# Altium PCB AGRSHUB_U_PCB.PcbDoc (part 1 of 2) (continued)
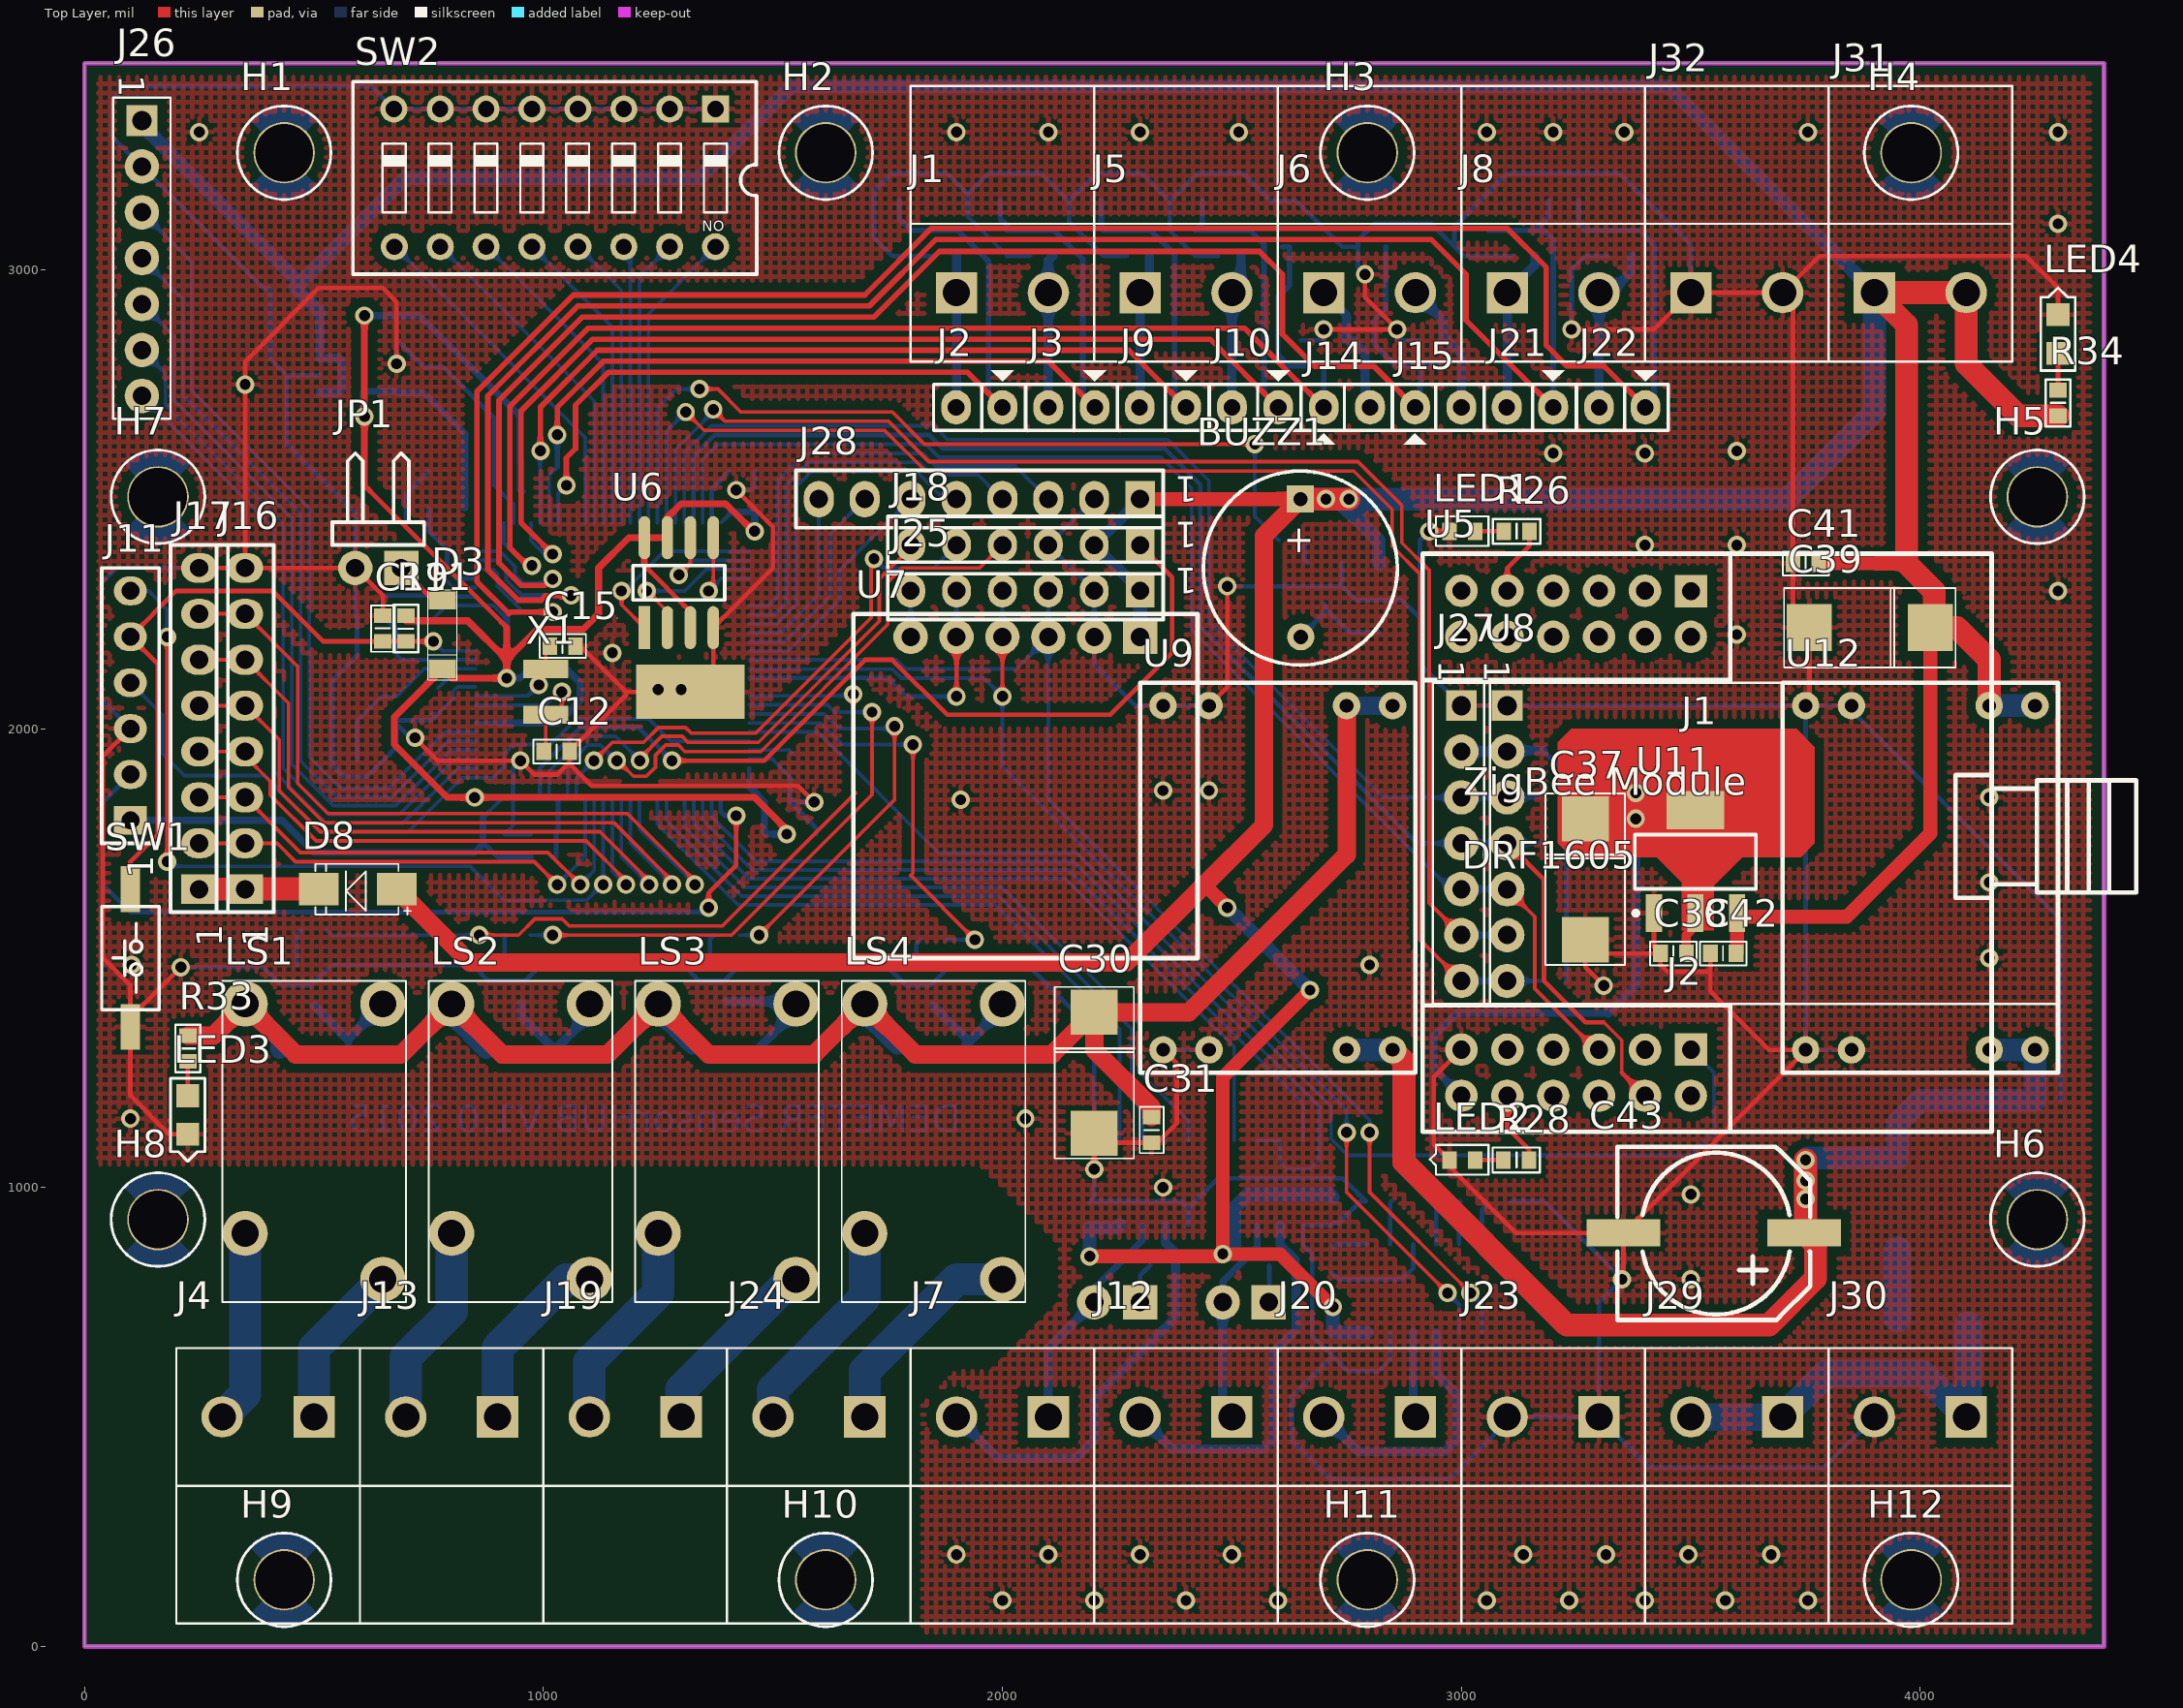
[diagram p0: Top Layer view]
## Components (designator, comment, footprint, x,y, rotation, side; value= is the part's Value field where it differs from the comment) (continued)
R30 "10k" R0603 3197.56,1850 r0 bottom
R31 "10k" R0603 3200,1750 r0 bottom
R32 "10M" R0603 3200,1450 r0 bottom
R33 "1k-5%" R0603 225,1302.56 r90 top
R34 "1k" R0603 4300,2710 r270 top
SW1 "SW 2P" "SW TACT" 100,1500 r90 top
SW2 "ADDRESS" DIPSW8N 1374.56,3350.06 r180 top
U1 "SP485EEN" SO8_L 2330,1010 r270 bottom
U2 "STM32F4_LQFP100" TSQFP50P1600X1600X160-100N 1150,2150 r0 bottom
U3 "SP485EEN" SO8_L 2580,1010 r270 bottom
U4 "MAX232" SOIC16_M 2970,780 r270 bottom
U5 "DRF1605" DRF1605 2915.35,1121.26 r0 top
U6 "MX25L8005MC-15G_SOP-8L" SOIC_8 1220,2220 r0 top
U7 "NEO-6M" "UBLOX NEO-6M Breakout" 2300,2200 r180 top
U8 "APC320" APC320 3100,2050 r270 top
U9 "DC 3A" "DC Mini 3A" 2600,1675 r90 top
U10 "XC6209B332MRN_SOT-25" SOT23-5 560,2770 r0 bottom
U11 "LM1117" SOT223_L 3510,1710 r90 top
U12 "DC 3A" "DC Mini 3A" 4000,1675 r90 top
W1 "Jumper" "HEADER 2" 2300,750 r180 bottom
W3 "Jumper" "HEADER 2" 2580,750 r180 bottom
X1 "Crystal1" "Crystal cylinder" 1005.04,2030 r180 top
Y1 "12MHz_CXA-321" "CRYSTAL 5032" 637,2089 r90 bottom

## Footprints (in the part's own frame and the unit in brackets; to place one, negate y for a bottom-side part, rotate by r counter-clockwise, add the part's x,y. Pads: shape width x height; smd on the part's side, far side on the other; paste and mask are expansions set on the pad)
0805_M [mm] "Chip Resistor, Body 2.0x1.2mm, IPC Low Density"
  rect 1.4x1.5 smd: 1(-1,0) 2(1,0)
  silkscreen extent 0,-0.65 0,0.65, body extent -1.07,-0.7 1.07,0.7, height 0.7
APC320 [mil]
  rect 67x67 hole 42: 1(0,0)
  round 75 / inner round 62 / far side round 75 hole 40: 2(100,0) 3(200,0) 4(300,0) 5(400,0) 6(500,0) 7(600,0)
  silkscreen extent -50,-50 650,1200, body extent -53,-53 652,2013, height 3076
C0603 [mil]
  rect 32x38 smd: 1(-27.56,0) 2(28.44,0)
  silkscreen extent -50,-26 51,26, body extent -31,-16 31,16, height 12
"CAP_AL_SMD (10X10.2)" [mil]
  rect 160x59.03 smd: 1(-196.63,-0.99) 2(196.86,-0.99)
  silkscreen extent -210,-189 210,189, body extent -197,-198 197,196, height 402
CAP_TANTA_SMD_10UF/10V/16V [mil]
  rect 47.23x51.17 smd: 1(0,-55.07) 2(0,55.07)
  silkscreen extent -31,-87 31,87, body extent -32,-67 31,67, height 63
CAP_TANTA_SMD_100UF/16V [mil]
  rect 102.37x98.43 smd: 1(0,-131.77) 2(0,131.77)
  silkscreen extent -87,-187 87,187, body extent -87,-144 83,152, height 110
"CRYSTAL 5032" [mil]
  rect 62.99x49.21 smd: 1(-71,-43) 2(71,-43) 3(71,43) 4(-71,43)
  silkscreen extent -125,-87 129,90
"Crystal cylinder" [mm] "Crystal footsprint type 1"
  rect 2.5x1 smd: 1(0,0) 2(0,-2.54)
  rect 6x3 smd: 3(-8,-1.27)
  body extent -10.02,-2.6 0.53,0.07, height 2.29
"DC Mini 3A" [mil]
  round 60 hole 30: 1(-375,250) 2(-375,150) 3(-375,-150) 4(-375,-250) 5(375,-250) 6(375,-150) 7(375,150) 8(375,250)
  silkscreen extent -425,-300 425,300, body extent -409,-284 409,284, height 100
DE_VIT [mil]
  round 134 hole 126: 1(0,0)
  Bottom Layer circle w6: c0,0 r102.73
  Bottom Layer region: 47.05,-47.48 47.11,-47.47 47.24,-47.56 47.38,-47.62 73.38,-73.62 73.54,-74 73.38,-74.38 66.38,-81.38 66.33,-81.4 66.3,-81.45 63.31,-83.44 59.32,-86.43 59.3,-86.44 59.28,-86.46 54.3,-89.45 50.32,-92.43 50.24,-92.46 50.17,-92.51 44.23,-94.49 39.28,-97.46 39.22,-97.47 39.17,-97.51 33.21,-99.5 31.24,-100.48 31.17,-100.49 31.11,-100.53 26.12,-101.53 22.13,-102.52 18.13,-103.52 18.12,-103.52 18.11,-103.53 13.11,-104.53 13.05,-104.52 13,-104.54 -8,-104.54 -8.04,-104.53 -8.08,-104.54 -15.08,-103.54 -15.09,-103.53 -15.11,-103.53 -25.11,-101.53 -25.13,-101.52 -25.15,-101.52 -32.15,-99.52 -32.17,-99.51 -32.19,-99.51 -40.19,-96.51 -40.21,-96.49 -40.24,-96.48 -46.24,-93.48 -54.24,-89.48 -54.26,-89.47 -54.28,-89.46 -59.28,-86.46 -59.3,-86.43 -59.35,-86.42 -65.34,-81.42 -69.31,-78.44 -72.3,-76.45 -72.33,-76.4 -72.38,-76.38 -74.38,-74.38 -74.54,-74 -74.38,-73.62 -48.38,-47.62 -48.27,-47.57 -48.17,-47.49 -48.08,-47.49 -48,-47.46 -47.88,-47.51 -47.76,-47.52 -45.76,-48.52 -45.7,-48.58 -45.62,-48.62 -43.66,-50.58 -40.7,-52.55 -40.67,-52.6 -40.62,-52.62 -38.66,-54.58 -35.73,-56.53 -33.79,-57.5 -30.83,-58.49 -30.8,-58.51 -30.76,-58.52 -26.78,-60.51 -21.8,-62.5 -16.85,-64.48 -11.89,-65.47 -11.88,-65.48 -11.87,-65.48 -7.93,-66.46 6.96,-66.46 12.89,-65.47 16.87,-64.48 20.83,-63.48 25.78,-61.51 29.74,-59.53 34.72,-56.54 34.72,-56.54 39.66,-53.57 43.62,-49.62 43.67,-49.6 43.7,-49.55 46.7,-47.55 46.85,-47.52 47,-47.46
  Bottom Layer region: 10.04,104.52 10.08,104.53 23.08,102.53 23.12,102.51 23.16,102.52 33.16,99.52 33.17,99.51 33.19,99.51 41.19,96.51 41.21,96.49 41.24,96.48 47.24,93.48 53.24,90.48 53.26,90.47 53.28,90.46 58.28,87.46 58.3,87.44 58.32,87.43 62.32,84.43 66.32,81.43 66.35,81.4 66.38,81.38 70.36,77.41 74.32,74.43 74.35,74.4 74.38,74.38 74.45,74.22 74.54,74.08 74.53,74.04 74.54,74 74.48,73.84 74.43,73.68 74.4,73.65 74.38,73.62 47.38,46.62 47,46.46 46.62,46.62 41.64,51.59 37.7,54.55 32.72,57.54 27.77,60.51 21.83,62.49 21.8,62.51 21.76,62.52 17.81,64.49 13.89,65.47 7.96,66.46 -7.96,66.46 -13.88,65.47 -20.83,63.49 -28.76,60.51 -33.71,57.54 -36.7,55.55 -39.7,53.55 -39.73,53.54 -39.76,53.52 -41.68,52.56 -48.62,45.62 -49,45.46 -49.38,45.62 -75.38,71.62 -75.44,71.76 -75.53,71.89 -75.52,71.95 -75.54,72 -75.48,72.15 -75.45,72.3 -73.45,75.3 -73.36,75.36 -73.3,75.45 -70.31,77.44 -66.36,80.41 -61.38,85.38 -61.33,85.4 -61.3,85.45 -55.3,89.45 -55.27,89.46 -55.24,89.48 -45.24,94.48 -35.24,99.48 -35.17,99.49 -35.12,99.53 -26.12,101.53 -26.11,101.53 -26.11,101.53 -16.11,103.53 -16.07,103.52 -16.04,103.54 -3.04,104.54 -3.02,104.53 -3,104.54 10,104.54
  silkscreen extent -102,-102 102,102
DIPSW8N [mm] "DIPS SWITCHES 8"
  rect 1.5x1.5 hole 0.9: 1(-0.011,0.001)
  round 1.5 hole 0.9: 2(2.529,0.001) 3(5.069,0.001) 4(7.609,0.001) 5(10.149,0.001) 6(12.689,0.001) 7(15.229,0.001) 8(17.789,0.001) 9(17.769,7.621) 10(15.229,7.621) 11(12.689,7.621) 12(10.149,7.621) 13(7.609,7.621) 14(5.069,7.621) 15(2.529,7.621) 16(-0.011,7.621)
  silkscreen extent -2.29,-1.52 20.07,9.14, body extent -2.01,-1.24 19.89,8.92, height 6.9
"DO-214AC (SMA)" [mm]
  rect 2.2x1.8 smd: 1(-2.148,0) 2(2.148,0)
  silkscreen extent -2.95,-1.4 2.35,1.4, body extent -2.55,-1.3 2.65,1.3, height 2.3
DO_213AA [mil]
  rect 39.37x59.03 smd: 1(-74.73,0) 2(74.73,0)
  silkscreen extent -98,-31 98,31, body extent -73,-31 73,31, height 64
"DOMINO BIG 2 STAND" [mil]
  rect 90x90 hole 59.03: 1(-100,0)
  round 90 hole 59.03: 2(100,0)
  silkscreen extent -200,-150 200,450
DRF1605 [mm]
  rect 1.8x1.8 hole 1: 1(14.85,29.925) 13(14.85,4.55)
  round 1.8 hole 1: 2(14.85,27.4) 3(12.31,29.95) 4(12.31,27.4) 5(9.77,29.95) 6(9.77,27.4) 7(7.23,29.95) 8(7.23,27.4) 9(4.69,29.95) 10(4.69,27.4) 11(2.15,29.95) 12(2.15,27.4) 14(14.85,2) 15(12.31,4.55) 16(12.31,2) 17(9.77,4.55) 18(9.77,2) 19(7.23,4.55) 20(7.23,2) 21(4.69,4.55) 22(4.69,2) 23(2.15,4.55) 24(2.15,2)
  silkscreen extent 0,0 39.5,32
"HEADER 2" [mil]
  rect 75x75 / inner round 62 / far side rect 75x75 hole 40: 1(0,0)
  round 75 / inner round 62 / far side round 75 hole 40: 2(100,0)
  silkscreen extent -63,-63 162,63
"Header 2-V" [mil] "Connector; Header; 2 Position; Vertical; Solder Pad 35mil"
  rect 75x75 hole 40: 1(0,0)
  round 75 hole 40: 2(100,0)
  silkscreen extent -50,-250 150,-50, body extent -50,-276 150,50, height 171
"HEADER 6" [mil]
  rect 62.99x72 hole 39: 1(0,0)
  oval 62.99x72 hole 39: 2(100,0) 3(200,0) 4(300,0) 5(400,0) 6(500,0)
  silkscreen extent -50,-62 550,63
"HEADER 7" [mil]
  rect 67x67 hole 42: 1(0,0)
  round 75 / inner round 62 / far side round 75 hole 40: 2(100,0) 3(200,0) 4(300,0) 5(400,0) 6(500,0) 7(600,0)
  silkscreen extent -50,-63 650,63
"HEADER 8" [mil]
  rect 65x79 hole 40: 1(0,0)
  oval 65x79 hole 40: 2(100,0) 3(200,0) 4(300,0) 5(400,0) 6(500,0) 7(600,0) 8(700,0)
  silkscreen extent -50,-62 750,63
JP2 [mil]
  oval 65x75 hole 36: 1(0,0) 2(101,0)
  silkscreen extent -50,-81 150,50, body extent -48,-50 148,48, height 323
PTC1812 [mm]
  rect 2.032x3.5 smd: 1(-2.7,0) 2(2.395,0)
  silkscreen extent -1.4,-1.5 1.14,1.5, body extent -2.67,-1.73 2.06,1.68, height 1.34
R0603 [mil]
  rect 32x38 smd: 1(-27.56,0) 2(28.44,0)
  silkscreen extent -51,-27 52,27, body extent -31,-16 31,16, height 18
RELAY_4PIN_5A_12 [mm]
  round 2.5 hole 1.5: 1(0,0) 2(0,7.62) 3(12.7,0) 4(15.24,7.62)
  silkscreen extent -1.27,-1.27 16.51,8.89, body extent -1.4,-1.4 16.64,9.02, height 15.24
SM/LED_0603 [mil]
  rect 32x38 smd: 1(-28,0) 2(28,0)
  silkscreen extent -58,-33 70,32, body extent -30,-20 30,20, height 31
SM/LED_0805 [mil]
  rect 50x50 smd: 1(-42,0) 2(42,0)
  silkscreen extent -80,-38 101,38, body extent -42,-29 42,29, height 31
SO8_L [mm] "SOIC, 8-Leads, Body 4.9x3.9mm, Pitch 1.27mm, IPC High Density"
  oval 1.9x0.6 smd: 1(-2.35,1.905) 2(-2.35,0.635) 3(-2.35,-0.635) 4(-2.35,-1.905) 5(2.35,-1.905) 6(2.35,-0.635) 7(2.35,0.635) 8(2.35,1.905)
  silkscreen extent -2.47,-2.5 1,2.88, body extent -2,-2.5 2,2.5, height 1.75
SOIC16_M [mm] "SOIC, 16-Leads, Body 9.9x3.9mm, Pitch 1.27mm, IPC Low Density"
  oval 2.5x0.7 smd: 1(-2.45,4.445) 2(-2.45,3.175) 3(-2.45,1.905) 4(-2.45,0.635) 5(-2.45,-0.635) 6(-2.45,-1.905) 7(-2.45,-3.175) 8(-2.45,-4.445) 9(2.45,-4.445) 10(2.45,-3.175) 11(2.45,-1.905) 12(2.45,-0.635) 13(2.45,0.635) 14(2.45,1.905) 15(2.45,3.175) 16(2.45,4.445)
  silkscreen extent -2.57,-5 0.8,5.47, body extent -2,-5 2,5, height 1.91
SOIC_8 [mil]
  rect 25x94 smd: 1(0,0)
  oval 25x94 smd: 2(50,0) 3(100,0) 4(150,0) 5(150,196) 6(100,196) 7(50,196) 8(0,196)
  silkscreen extent -25,60 175,136
SOT23-3 [mm] "SOT-23; 3 Leads; Body 3.1 x 2.5 mm, inc. leads (LxW max)"
  rect 0.9x0.95 smd: 1(-0.95,-1.175) 2(0.95,-1.175) 3(0,1.175)
  silkscreen extent -1.3,-0.3 1.3,1.18, body extent -1.5,-1.25 1.5,1.25, height 1.08
SOT23-5 [mm] "SOT23, 5-Leads, Body 2.9x1.6mm, Pitch 0.95mm, Lead Span 2.8mm, IPC Low Density"
  rect 1.3x0.7 smd: 1(-1.2,0.95) 2(-1.2,0) 3(-1.2,-0.95) 4(1.2,-0.95) 5(1.2,0.95)
  silkscreen extent -1.32,-1.55 0.15,1.97, body extent -0.9,-1.55 0.9,1.55, height 1.45
SOT223_L [mm] "SOT223, 4-Leads, Body 6.5x3.5mm, Pitch 2.3mm, Lead Span 7mm, IPC High Density"
  rect 2.1x0.9 smd: 1(-2.85,2.3) 2(-2.85,0) 3(-2.85,-2.3)
  rect 2.1x3.2 smd: 4(2.85,0)
  silkscreen extent -2.97,-3.35 1.5,3.42, body extent -1.85,-3.35 1.85,3.35, height 1.7
SOT-23B_N [mm] "SOT23, 3-Leads, Body 2.9x1.3mm, Pitch 0.95mm, Lead Span 2.4mm, IPC Medium Density"
  rect 1.15x0.6 smd: 1(-1.125,0.95) 2(-1.125,-0.95) 3(1.125,0)
  silkscreen extent -1.25,-1.5 0.7,1.92, body extent -0.7,-1.5 0.7,1.5, height 1.14
SPEAKER [mm]
  rect 1.5x1.5 hole 0.8: 1(0,0)
  round 1.5 hole 0.8: 2(7.62,0.013)
  silkscreen extent -1.55,-5.38 9.18,5.36, body extent -2.22,-6 13.24,6, height 4.5
"SW TACT" [mil]
  rect 100x42 smd: 1(-150,0) 2(150,0)
  silkscreen extent -112,-63 112,63
TSQFP50P1600X1600X160-100N [mm] "TSQFP, 100-Leads, Body 16.2x16.2mm (max), Pitch 0.50mm, IPC Medium Density"
  rect 1.75x0.23 smd: 1(-7.575,6) 2(-7.575,5.5) 3(-7.575,5) 4(-7.575,4.5) 5(-7.575,4) 6(-7.575,3.5) 7(-7.575,3) 8(-7.575,2.5) 9(-7.575,2) 10(-7.575,1.5) 11(-7.575,1) 12(-7.575,0.5) 13(-7.575,0) 14(-7.575,-0.5) 15(-7.575,-1) 16(-7.575,-1.5) 17(-7.575,-2) 18(-7.575,-2.5) 19(-7.575,-3) 20(-7.575,-3.5) 21(-7.575,-4) 22(-7.575,-4.5) 23(-7.575,-5) 24(-7.575,-5.5) 25(-7.575,-6) 51(7.575,-6) 52(7.575,-5.5) 53(7.575,-5) 54(7.575,-4.5) 55(7.575,-4) 56(7.575,-3.5) 57(7.575,-3) 58(7.575,-2.5) 59(7.575,-2) 60(7.575,-1.5) 61(7.575,-1) 62(7.575,-0.5) 63(7.575,0) 64(7.575,0.5) 65(7.575,1) 66(7.575,1.5) 67(7.575,2) 68(7.575,2.5) 69(7.575,3) 70(7.575,3.5) 71(7.575,4) 72(7.575,4.5) 73(7.575,5) 74(7.575,5.5) 75(7.575,6)
  rect 0.23x1.75 smd: 26(-6,-7.575) 27(-5.5,-7.575) 28(-5,-7.575) 29(-4.5,-7.575) 30(-4,-7.575) 31(-3.5,-7.575) 32(-3,-7.575) 33(-2.5,-7.575) 34(-2,-7.575) 35(-1.5,-7.575) 36(-1,-7.575) 37(-0.5,-7.575) 38(0,-7.575) 39(0.5,-7.575) 40(1,-7.575) 41(1.5,-7.575) 42(2,-7.575) 43(2.5,-7.575) 44(3,-7.575) 45(3.5,-7.575) 46(4,-7.575) 47(4.5,-7.575) 48(5,-7.575) 49(5.5,-7.575) 50(6,-7.575) 76(6,7.575) 77(5.5,7.575) 78(5,7.575) 79(4.5,7.575) 80(4,7.575) 81(3.5,7.575) 82(3,7.575) 83(2.5,7.575) 84(2,7.575) 85(1.5,7.575) 86(1,7.575) 87(0.5,7.575) 88(0,7.575) 89(-0.5,7.575) 90(-1,7.575) 91(-1.5,7.575) 92(-2,7.575) 93(-2.5,7.575) 94(-3,7.575) 95(-3.5,7.575) 96(-4,7.575) 97(-4.5,7.575) 98(-5,7.575) 99(-5.5,7.575) 100(-6,7.575)
  silkscreen extent -7.7,-6.3 6.3,6.82, body extent -7,-7 7,7, height 1.6
"UBLOX NEO-6M Breakout" [mil]
  rect 75x75 / inner round 62 / far side rect 75x75 hole 40: 1(0,0)
  round 75 / inner round 62 / far side round 75 hole 40: 2(100,0) 3(200,0) 4(300,0) 5(400,0) 6(500,0)
  silkscreen extent -125,-50 625,700, body extent -125,-55 625,700, height 98

## Part data
BUZZ1: library part Speaker, "Loudspeaker"
C1 C2 C3 C4 C5 C6 C7 C8 C9 C10 C11 C12 C13 C14 C15 C16 C17 C18 C19 C20 C21 C22 C23 C24 C25 C26 C27 C28 C29 C31 C34 C35 C38 C40 C41 C42: library part Cap_SMT, "CAP CER 0.1UF 16V Y5V 0402"
C30 C33 C36 C37 C39: library part Cap_TANTA, "CAP TANTA"
C32: "CAP TANTA"
C43: library part Cap_ALU, "CAP ALU"
D1 D2 D5 D6 D9 D10 D12 D13: "Zener Diode"
D3 D4 D7 D8 D11 D14 D15 D16: library part "D Schottky", "DIODE SCHOTTKY 40V 3A SMA"
J1 J4 J5 J6 J7 J8 J12 J13 J19 J20 J23 J24 J29 J30 J31 J32: library part "Header 2", "Header, 2-Pin"
J2 J3 J9 J10 J14 J15 J21 J22: library part "JP 2"
J11 J18: library part "Header 6"
J17 J28: library part "Header 8"
J26: library part "Header 7"
JP1: library part Con2, "Connector 2"
LED1 LED2 LED3 LED4: library part LED, "LED GREEN 0.2MM 13MCD 0402 SMD"
PPTC1: library part "Fuse 2", "POLYSWITCH .50A RESET FUSE SMD"
Q1 Q2 Q3 Q4 Q5: library part "NPN BEC", "TRANSISTOR NPN 50V 150MA"
Q6: library part "MOSFET-P GSD", "MOSFET P-CH 50V 130MA SOT23-3"
R1 R2 R3 R4 R6 R7 R9 R10 R11 R13 R14 R16 R17 R18 R19 R20 R21 R23 R24 R27: library part R_SMD1, "Resistor SMD 1%"
R5 R8 R12 R15 R22 R25 R26 R28 R29 R30 R31 R32 R33 R34: library part R_SMD5, "Resistor SMD 5%"
SW2: library part "SW DIP-8", "DIP Switch, 8 Position, SPST"
U7: library part "UBLOX NEO-6M Breakout"
U9 U12: library part "DC Mini 3A"
U10: library part XC6209B, "IC REG LDO 3.3V .3A SOT-25"
W1 W3: "Jumper Wire"
X1: "Tuning Forl Crystal Units (SMD-Cylinder Type)"
Y1: library part CRYSTAL-SMT, "NX3225SA-12MHZ-STD-CSR-6"

## Via types
v1: diameter 40, hole 24, Top Layer to Bottom Layer, 134 vias

## Nets (pads, with @x,y where several pads share a name; then routed paths per layer and width w, separated by ;. In a path a pad name is that pad's centre, name@x,y a point inside that pad or via, vN(x,y) a via of type N, cw(c..) or ccw(c..) an arc to the next point about the centre after c; other vN are vias at no path point)
3V3: C37.1 C38.2 Q6.2 R29.2 U5.24 U11.2 U11.4 | length 1820.3
  Top Layer w20: C37.1@3270,1803.53 v1(3380,1803.53) ; v1(3380,1860) v1(3380,1803.53) ; C38.2@3490,1510 3490,1550 3510,1570 U11.2@3510,1597.8 U11.4@3510,1822.2 3491.33,1803.53 v1(3380,1803.53)
  Bottom Layer w15: U5.24@3000,1200 2940,1260 2940,1330 2990,1380 3320,1380
  Bottom Layer w20: Q6.2@3270,1915.2 3271.2,1914 R29.2@3330,1914 3380,1864 v1(3380,1860) 3380,1440 3320,1380
5V: BUZZ1.1 C1.2 C14.2 C21.2 C32.1 C34.2 C39.1 C41.2 C42.2 D8.1 D15.2 J18.2 J25.1 J26.1 J28.1 J31.1 J31.2 R34.2 U1.8 U3.8 U4.16 U7.1 U10.1 U10.3 U11.3 U12.5 U12.6 | length 15202.2
  Top Layer w30: v1(2190,850) 2480,850 2480,1240 v1(2670,1430) ; J28.1@2300,2500 BUZZ1.1@2649.5,2500 ; 2440,1660 v1(2490,1610) ; v1(2480,855) 2605,855 v1(2720,740) ; C42.2@3598.44,1510 3600.55,1512.11 U11.3@3600.55,1590 ; U11.3@3600.55,1597.8 U11.3@3600.55,1590 ; C41.2@3778.44,2360 3970,2360 ; C39.1@4030,2220 C39.1@4021.77,2220 4021.77,1771.77 3840,1590 U11.3@3600.55,1590
  Top Layer w40: D8.1@680,1650 840,1490 2270,1490 2440,1660 2570,1790 2570,2420.5 BUZZ1.1@2649.5,2500
  Top Layer w50: BUZZ1.1@2649.5,2500 v1(2755,2500) ; U12.6@4150,2050 4150,2150 4080,2220 4030,2220 4030,2300 3970,2360 3970,2880 J31.1@3900,2950 J31.2@4100,2950 4100,2795 4213.44,2681.56 R34.2@4300,2681.56
  Bottom Layer w20: U10.1@512.76,2732.6 552.6,2732.6 560,2740 560,2800 552.6,2807.4 U10.3@512.76,2807.4 C32.1@512.76,2907.24
  Bottom Layer w25: J25.1@2300,2300 J18.2@2200,2400 J28.1@2300,2500
  Bottom Layer w30: J26.1@125,3325 125,3315 C34.2@469.22,2970.78 ; C34.2@458.44,2960 698.44,3200 1340,3200 1540,3400 3450,3400 J31.1@3900,2950 ; C34.2@459.22,2960.78 C32.1@512.76,2907.24 ; v1(2190,850) C1.2@2190,911.56 2249.08,911.56 U1.8@2255,917.48 ; U7.1@2300,2200 J25.1@2300,2300 ; v1(2480,855) 2485,855 2505,875 U3.8@2505,917.48 2505,955 2535,985 2713.44,985 C14.2@2720,978.44 ; v1(2490,1610) v1(2670,1430) ; v1(2720,740) C21.2@2720,688.44 2724.9,683.54 U4.16@2795,683.54 ; 2730,2500 2820,2410 D15.2@2820,2359.47
  Bottom Layer w50: BUZZ1.1@2649.5,2500 2730,2500 3710,2500 3900,2690 J31.1@3900,2950 ; U12.6@4150,2050 U12.5@4250,2050
  other v1: 2705,2500
5VPOW: C30.1 C31.2 D4.2 D7.2 D11.2 D14.2 LS1.1 LS2.1 LS3.1 LS4.1 R33.2 U9.5 U9.6 | length 4260.6
  Top Layer w40: R33.2@225,1331 281,1331 LS1.1@350,1400 460,1290 690,1290 LS2.1@800,1400 910,1290 1140,1290 LS3.1@1250,1400 1360,1290 1590,1290 LS4.1@1700,1400 1810,1290 2108.23,1290 C30.1@2200,1381.77 ; C31.2@2325,1153.44 2325,1175 2200,1300 C30.1@2200,1381.77 ; U9.6@2750,2050 2750,1725 2406.77,1381.77 C30.1@2200,1381.77
  Bottom Layer w40: LS1.1@350,1400 425.27,1324.73 D4.2@425.27,1300 ; LS2.1@800,1400 800,1375.27 D7.2@875.27,1300 ; LS3.1@1250,1400 1250,1385.27 D11.2@1325.27,1310 ; LS4.1@1700,1400 1700,1380.53 D14.2@1770.53,1310 ; U9.6@2750,2050 U9.5@2850,2050
485M_RW: U2.77 U3.2 U3.3 | length 1942.1
  Bottom Layer w8: U2.77@1366.54,1851.77 1366.54,1807.81 1463.35,1711 2153.39,1711 2482.39,1382 2483.97,1382 2690,1175.97 2690,1060 2670,1040 2620,1040 2605,1055 U3.3@2605,1102.52 U3.2@2555,1102.52
485M_RX: U2.79 U3.1 | length 1642.3
  Bottom Layer w8: U2.79@1327.17,1851.77 1327.17,1793.44 1447.61,1673 2137.65,1673 2466.65,1344 2468.23,1344 2505,1307.23 U3.1@2505,1102.52
485M_TX: U2.78 U3.4 | length 1696.2
  Bottom Layer w8: U2.78@1346.85,1851.77 1346.85,1800.63 1455.48,1692 2145.52,1692 2474.52,1363 2476.1,1363 2655,1184.1 U3.4@2655,1102.52
485S_RW: U1.2 U1.3 U2.82 | length 1556.8
  Bottom Layer w8: U2.82@1268.11,1851.77 1268.11,1798.76 1431.87,1635 1991.87,1635 2281,1345.87 2281,1192.13 2305,1168.13 U1.2@2305,1102.52 U1.3@2355,1102.52
485S_RX: U1.1 U2.83 | length 1494.2
  Bottom Layer w8: U2.83@1248.43,1851.77 1248.43,1791.57 1424,1616 1984,1616 2255,1345 U1.1@2255,1102.52
485S_TX: U1.4 U2.80 | length 1531.9
  Bottom Layer w8: U2.80@1307.48,1851.77 1307.48,1786.26 1439.74,1654 1999.74,1654 2300,1353.74 2300,1250 2405,1145 U1.4@2405,1102.52
A00: C8.2 D1.2 J2.1 R1.1 R3.2 U2.32 | length 1866.9
  Top Layer w12: v1(1050,2530) 1050,2590 1070,2610 1070,2705 1141.5,2776.5 1923.5,2776.5 J2.1@2000,2700
  Bottom Layer w8: U2.32@1031.89,2448.23 1031.89,2511.89 v1(1050,2530)
  Bottom Layer w12: D1.2@1775.27,3150 1775.27,3110.73 C8.2@1800,3086 R3.2@1850,3086 R1.1@1900,3086 1902.33,3086 1970,3018.33 1970,2730 J2.1@2000,2700
A01: C9.2 D2.2 J3.1 R2.1 R4.2 U2.31 | length 2112.7
  Top Layer w12: v1(1030,2640) 1030,2700 1130.5,2800.5 2100.5,2800.5 J3.1@2201,2700
  Bottom Layer w8: U2.31@1012.2,2448.23 1012.2,2552.2 1030,2570
  Bottom Layer w12: 1030,2570 v1(1030,2640) ; D2.2@1995.27,3150 1995.27,3110.73 C9.2@2020,3086 ; C9.2@2010,3086 C9.2@2020,3086 ; J3.1@2201,2700 2175,2726 2175,3023.33 2112.33,3086 R2.1@2110,3086 R4.2@2060,3086 C9.2@2020,3086
A02: C17.2 D5.2 J9.1 R9.1 R13.2 U2.30 | length 2348.6
  Top Layer w12: v1(993.44,2605.42) 993.44,2700.56 1117.38,2824.5 2275.5,2824.5 J9.1@2400,2700
  Bottom Layer w8: U2.30@992.52,2448.23 v1@992.52,2604.5
  Bottom Layer w12: v1@992.52,2604.5 v1(993.44,2605.42) ; D5.2@2215.27,3150 2215.27,3090.73 C17.2@2220,3086 R13.2@2270,3086 R9.1@2320,3086 2322.33,3086 2375,3033.33 2375,2725 J9.1@2400,2700
A03: C18.2 D6.2 J10.1 R10.1 R14.2 U2.29 | length 2816.3
  Top Layer w12: v1(1020,2380) 951,2449 951,2692.06 1107.44,2848.5 2452.5,2848.5 J10.1@2601,2700
  Bottom Layer w8: U2.29@972.83,2448.23 972.83,2409.14 1001.97,2380 v1(1020,2380)
  Bottom Layer w12: D6.2@2435.27,3150 2435.27,3101.27 C18.2@2420,3086 R14.2@2470,3086 R10.1@2520,3086 2539,3086 2570,3055 2570,2731 J10.1@2601,2700
A04: C22.2 D9.2 J14.1 R16.1 R18.2 U2.26 | length 2930.3
  Top Layer w12: v1(975,2355) 965.7,2355 927,2393.7 927,2702 1097.5,2872.5 2527.5,2872.5 J14.1@2700,2700
  Bottom Layer w8: U2.26@913.78,2448.23 913.78,2404.54 v1@969.84,2348.48
  Bottom Layer w12: v1@969.84,2348.48 976.57,2348.48 v1@978.08,2350 ; D9.2@2610,3050 D9.2@2625.27,3050 2625.27,2965.27 2600,2940 2600,2815 2625,2790 C22.2@2650,2790 R18.2@2700,2790 ; J14.1@2700,2700 R18.2@2700,2790 ; R16.1@2750,2790 R18.2@2700,2790
A05: C23.2 D10.2 J15.1 R17.1 R19.2 U2.25 | length 3560.7
  Top Layer w12: v1@1011,2331 1021.22,2331 1002.22,2312 951.92,2312 903,2360.92 903,2715.12 1084.88,2897 1719.88,2897 1862.88,3040 2560,3040 2610,2990 2610,2860 2681,2789 2810,2789 J15.1@2899,2700
  Bottom Layer w8: U2.25@851.77,2386.22 905.23,2386.22 938.22,2353.23 938.22,2334.4 957.62,2315
  Bottom Layer w12: 957.62,2315 1007.62,2315 1020,2327.38 v1(1020,2326) ; D10.2@2835.27,3050 2835.27,2915.27 2810,2890 2810,2837.67 2857.67,2790 C23.2@2860,2790 R19.2@2910,2790 ; J15.1@2899,2700 2910,2711 R19.2@2910,2790 ; R17.1@2960,2790 R19.2@2910,2790
A06: C28.2 D12.2 J21.1 R20.1 R23.2 U2.24 | length 4109.5
  Top Layer w12: v1(1060,2290) 1056.5,2286.5 1038.41,2286.5 1034.91,2290 1005.09,2290 995.09,2280 945,2280 879,2346 879,2725.06 1074.94,2921 1709.94,2921 1854.94,3066 2934,3066 3010,2990 3010,2890 J21.1@3200,2700
  Bottom Layer w8: U2.24@851.77,2366.54 898.05,2366.54 919.22,2345.36 919.22,2323.78 953,2290
  Bottom Layer w12: 953,2290 v1(1060,2290) ; C28.2@3060,3086 R23.2@3110,3086 R20.1@3160,3086 ; D12.2@3190,3150 3190,3116 R20.1@3160,3086 ; J21.1@3200,2700 3200,3065 3179,3086 R20.1@3160,3086
A07: C29.2 D13.2 J22.1 R21.1 R24.2 U2.23 | length 4383.6
  Top Layer w12: v1(1020,2254) 929,2254 925,2250 855,2320 855,2735 1065,2945 1700,2945 1845,3090 3100,3090 3185,3005 3185,2835 3230,2790 3311,2790 J22.1@3401,2700
  Bottom Layer w8: U2.23@851.77,2346.85 890.86,2346.85 900.22,2337.49 900.22,2309.78 956,2254 v1(1020,2254)
  Bottom Layer w12: D13.2@3255.27,3150 3255.27,3100.73 C29.2@3270,3086 R24.2@3320,3086 R21.1@3370,3086 3389,3086 3420,3055 3420,2719 J22.1@3401,2700
ADD0: SW2.16 U2.42 | length 662.4
  Bottom Layer w8: U2.42@1228.74,2448.23 1228.74,2903.74 SW2.16@1375,3050
ADD1: SW2.15 U2.41 | length 629.1
  Bottom Layer w8: U2.41@1209.06,2448.23 1209.06,2984.06 SW2.15@1275,3050
ADD2: SW2.14 U2.40 | length 607.7
  Bottom Layer w8: SW2.14@1175,3050 1189.37,3035.63 U2.40@1189.37,2448.23
ADD3: SW2.13 U2.39 | length 641
  Bottom Layer w8: SW2.13@1075,3050 1169.69,2955.31 U2.39@1169.69,2448.23
ADD4: SW2.12 U2.38 | length 674.3
  Bottom Layer w8: SW2.12@975,3050 1150,2875 U2.38@1150,2448.23
ADD5: SW2.11 U2.37 | length 707.5
  Bottom Layer w8: SW2.11@875,3050 1130.32,2794.68 U2.37@1130.32,2448.23
ADD6: SW2.10 U2.36 | length 740.8
  Bottom Layer w8: SW2.10@775,3050 1110.63,2714.37 U2.36@1110.63,2448.23
ADD7: SW2.9 U2.35 | length 774.1
  Bottom Layer w8: SW2.9@675,3050 1090.94,2634.06 U2.35@1090.94,2448.23
AI00: J1.1 J2.2 R1.2 | length 330.4
  Bottom Layer w10: J2.2@1899,2700 J2.2@1900,2701
  Bottom Layer w20: J2.2@1900,2701 J1.1@1900,2950 R1.2@1900,3030
AI01: J1.2 J3.2 R2.2 | length 334.1
  Bottom Layer w20: J3.2@2100,2700 J1.2@2100,2950 2100,3020 R2.2@2110,3030
AI02: J5.1 J9.2 R9.2 | length 338.7
  Bottom Layer w20: J9.2@2299,2700 2300,2701 J5.1@2300,2950 2320,2970 R9.2@2320,3030
AI03: J5.2 J10.2 R10.2 | length 338.3
  Bottom Layer w20: J10.2@2500,2700 J5.2@2500,2950 2520,2970 R10.2@2520,3030
AI04: J6.1 J14.2 R16.2 | length 300
  Bottom Layer w20: J6.1@2700,2950 2750,2900 R16.2@2750,2846 2764,2846 2790,2820 2790,2711 J14.2@2801,2700
AI05: J6.2 J15.2 R17.2 | length 296.7
  Bottom Layer w20: J6.2@2900,2950 2960,2890 R17.2@2960,2846 2969,2846 3000,2815 J15.2@3000,2700
AI06: J8.1 J21.2 R20.2 | length 355.3
  Bottom Layer w20: J21.2@3099,2700 3100,2701 J8.1@3100,2950 3160,3010 R20.2@3160,3030
AI07: J8.2 J22.2 R21.2 | length 373.6
  Bottom Layer w20: J22.2@3300,2700 J8.2@3300,2950 3325,2950 3370,2995 R21.2@3370,3030
BLE_BRK: J18.6 U2.95 | length 1162.4
  Top Layer w8: v1(1210,1930) 1210,1934.95 1258.05,1983 1301.95,1983 1314.95,1970 1468.18,1970 1732,2233.82 1732,2326.47 1800,2394.47 J18.6@1800,2400
  Bottom Layer w8: U2.95@1012.2,1851.77 1012.2,1907.16 1088.05,1983 1157,1983 v1(1210,1930)
BLE_STATE: J18.1 U2.96 | length 1966.9
  Top Layer w10: v1(1280,1930) 1480.5,1930 1700.5,2150 1760,2150 1880,2030 2235,2030 2370,2165 2370,2330 J18.1@2300,2400
  Bottom Layer w10: U2.96@992.52,1851.77 992.52,1914.34 1080.18,2002 1208,2002 v1(1280,1930)
BOOT0: R6.1 R7.1 U2.94 | length 133.6
  Bottom Layer w10: R6.1@1027.56,1720 R7.1@1027.56,1770 1031.89,1774.33 U2.94@1031.89,1851.77
BUZZ: R27.1 U2.43 | length 1850.4
  Top Layer w8: v1(1340,2740) 1380,2740 1430,2690 1760,2690 1830,2620 v1(2550,2620)
  Bottom Layer w8: U2.43@1248.43,2448.23 1248.43,2698.43 1290,2740 v1(1340,2740) ; v1(2550,2620) 2550,2462.44 R27.1@2602.44,2410